# KiCad board ev18.kicad_pcb (continued)
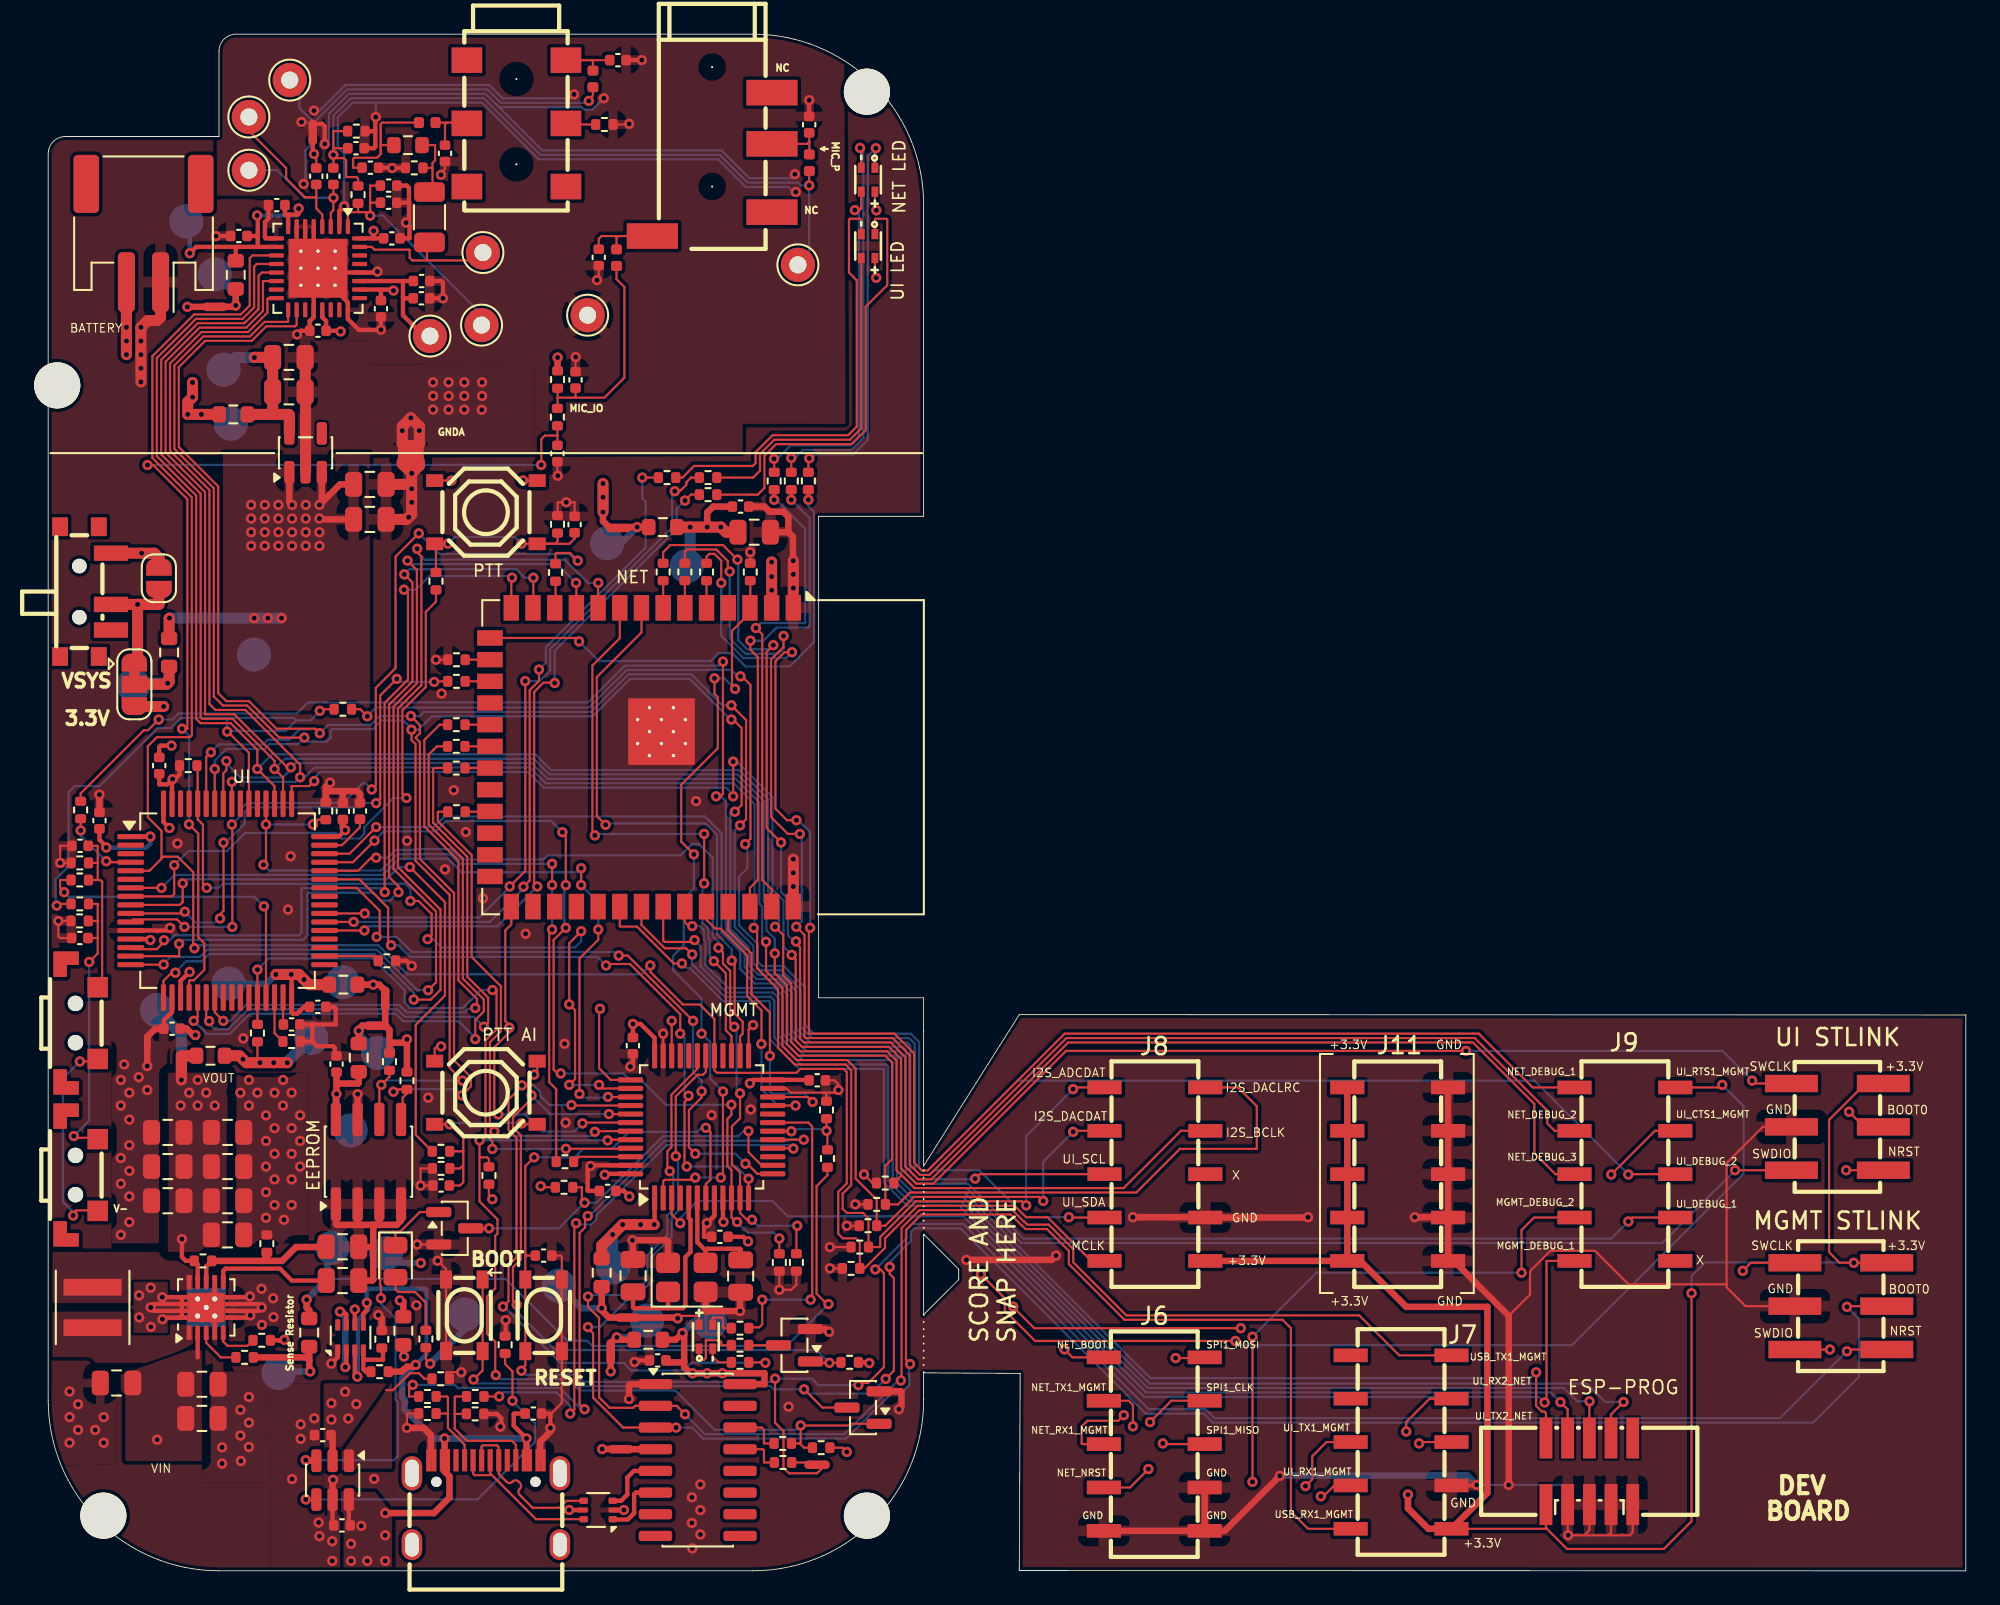
[diagram p0: board, top side]
## Library data of the parts (continued)
R27 = -: Description: Resistor, US symbol; JLCPCB Part #: C26984; ki_fp_filters: R_*
R31 = -: Description: Resistor, small US symbol; JLCPCB Part #: C25879; ki_fp_filters: R_*
R32 = -: Description: Resistor, small US symbol; JLCPCB Part #: C25741; ki_fp_filters: R_*
R53 = -: Description: Resistor, small US symbol; JLCPCB Part #: C25756; ki_fp_filters: R_*
R83 = -: Description: Resistor, US symbol; JLCPCB Part #: C23164; ki_fp_filters: R_*
R86 = -: Description: Resistor, small US symbol; JLCPCB Part #: C25779; ki_fp_filters: R_*
SW1 = -: Description: Switch, single pole double throw; JLCPCB Part #: C963206
SW2 SW3 = -: Description: Push button switch, generic, two pins; JLCPCB Part #: C139797
SW4 SW5 = -: Description: Push button switch, generic, two pins; JLCPCB Part #: C318886
SW6 SW7 = -: Description: Push button switch, generic, two pins; JLCPCB Part #: C2906288
TP1-TP8 TP11-TP32 = -: Description: test point; ki_fp_filters: Pin* Test*
U1 = -: Datasheet: https://www.ti.com/lit/ds/symlink/bq21040.pdf; Description: Single cell, 0.8A Li-Ion/Li-Po linear charge management controller, up to 30V input, 4.2V charge voltage, Open-Drain Status Output, Temperature sense input, SOT-23-6; JLCPCB Part #: C202311; ki_fp_filters: SOT?23*
U2 = -: Datasheet: https://www.st.com/resource/en/datasheet/usblc6-2.pdf; Description: Very low capacitance ESD protection diode, 2 data-line, SOT-666; JLCPCB Part #: C2827693; FT Rotation Offset: 270; ki_fp_filters: SOT?666*
U3 = -: Datasheet: https://www.st.com/resource/en/datasheet/stm32f072c8.pdf; Description: STMicroelectronics Arm Cortex-M0 MCU, 64KB flash, 16KB RAM, 48 MHz, 2.0-3.6V, 37 GPIO, LQFP48; JLCPCB Part #: C80488; ki_fp_filters: LQFP*7x7mm*P0.5mm*
U4 = -: Datasheet: https://datasheet.lcsc.com/szlcsc/Jiangsu-Qin-Heng-CH340C_C84681.pdf; Description: USB serial converter, crystal-less, UART, SOIC-16; JLCPCB Part #: C7464026; ki_fp_filters: SOIC*3.9x9.9mm*P1.27mm*
U5 = -: Datasheet: http://www.ti.com/lit/ds/symlink/tps63060.pdf; Description: Buck-Boost Converter, 2.5-12V Input Voltage, 2-A Switch Current, Adjustable 2.5-8V Output Voltage, S-PWSON-N10; JLCPCB Part #: C48567; FT Rotation Offset: 270; ki_fp_filters: Texas*S*PWSON*N10*
U6 = -: JLCPCB Part #: C18752; FT Rotation Offset: -90
U7 = -: Datasheet: https://www.espressif.com/sites/default/files/documentation/esp32-s3-wroom-1_wroom-1u_datasheet_en.pdf; Description: RF Module, ESP32-S3 SoC, Wi-Fi 802.11b/g/n, Bluetooth, BLE, 32-bit, 3.3V, onboard antenna, SMD; JLCPCB Part #: C3013944; FT Position Offset: 0, -3.6195; ki_fp_filters: ESP32?S3?WROOM?1*
U8 = -: Datasheet: http://www.st.com/content/ccc/resource/technical/document/datasheet/b0/d8/50/40/5a/85/49/6f/DM00071904.pdf/files/DM00071904.pdf/jcr:content/translations/en.DM00071904.pdf; Description: 2Kb (256x8) I2C Serial EEPROM, 1.8-5.5V, SOIC-8; JLCPCB Part #: C83836; ki_fp_filters: SOIC*3.9x4.9mm*P1.27mm*
U9 = -: Datasheet: https://www.ti.com/lit/ds/symlink/tps2116.pdf; Description: 2 Channnels Power Mux with Manual and Priority Switchover, 1.6-5.5V Input Voltage, 2.5A Output Current, Ron 40 mOhm, SOT-583-8; JLCPCB Part #: C3235557; ki_fp_filters: SOT?5?3*
U10 = -: Datasheet: https://www.st.com/resource/en/datasheet/stm32f405rg.pdf; Description: STMicroelectronics Arm Cortex-M4 MCU, 1024KB flash, 192KB RAM, 168 MHz, 1.8-3.6V, 51 GPIO, LQFP64; JLCPCB Part #: C15742; ki_fp_filters: LQFP*10x10mm*P0.5mm*
U12 = -: Datasheet: kicad-embed://xc6227.pdf; JLCPCB Part #: C484285; FT Rotation Offset: 90
Y1 = -: Description: Four pin crystal, GND on pins 2 and 4; JLCPCB Part #: C13738; ki_fp_filters: Crystal*

## Footprints (pads in the part's own frame, mm; a bottom-side part is the same pattern mirrored in y, then rotated)
AUDIO-SMD_PJ-242D-SMT
  round 0.1 hole 1.6 unplated: (-2.61,-0.03) (2.39,-0.03)
  rect 1.5x1.8 smd: 2(-3.71,2.87) 3(-3.71,-2.93) 4(-0.01,2.87) 5(3.69,2.87) 6(-0.01,-2.93) 7(3.69,-2.93)
AUDIO-SMD_PJ-320D
  round 0.1 hole 1.2 unplated: (0,5.55) (0,-1.45)
  rect 3x1.5 smd: R1(3.5,1.05) R2(3.5,4.05) S(-3.5,-4.35) T(3.5,-2.95)
C_0402_1005Metric
  rrect 0.56x0.62 smd: 1(-0.48,0) 2(0.48,0)
C_0805_2012Metric
  rrect 1x1.45 smd: 1(-0.95,0) 2(0.95,0)
C_1206_3216Metric
  rrect 1.15x1.8 smd: 1(-1.475,0) 2(1.475,0)
Crystal_SMD_3225-4Pin_3.2x2.5mm
  rrect 1.4x1.2 smd: 1(-1.1,-0.85) 2(1.1,-0.85) 3(1.1,0.85) 4(-1.1,0.85)
D_0805_2012Metric
  rrect 0.975x1.4 smd: 1(-0.938,0) 2(0.938,0)
ESP32-S3-WROOM-1
  rect 0.9x0.9 smd: (-2.9,-1.06) (-2.9,-2.46) (-2.9,-3.86) (-1.5,-1.06) (-1.5,-2.46) (-1.5,-3.86) (-0.1,-1.06) (-0.1,-2.46) (-0.1,-3.86)
  rect 1.5x0.9 smd: 1(-8.75,5.26) 2(-8.75,3.99) 3(-8.75,2.72) 4(-8.75,1.45) 5(-8.75,0.18) 6(-8.75,-1.09) 7(-8.75,-2.36) 8(-8.75,-3.63) 9(-8.75,-4.9) 10(-8.75,-6.17) 11(-8.75,-7.44) 12(-8.75,-8.71) 13(-8.75,-9.98) 14(-8.75,-11.25) 27(8.75,-11.25) 28(8.75,-9.98) 29(8.75,-8.71) 30(8.75,-7.44) 31(8.75,-6.17) 32(8.75,-4.9) 33(8.75,-3.63) 34(8.75,-2.36) 35(8.75,-1.09) 36(8.75,0.18) 37(8.75,1.45) 38(8.75,2.72) 39(8.75,3.99) 40(8.75,5.26)
  rect 0.9x1.5 smd: 15(-6.985,-12.5) 16(-5.715,-12.5) 17(-4.445,-12.5) 18(-3.175,-12.5) 19(-1.905,-12.5) 20(-0.635,-12.5) 21(0.635,-12.5) 22(1.905,-12.5) 23(3.175,-12.5) 24(4.445,-12.5) 25(5.715,-12.5) 26(6.985,-12.5)
  round 0.6 hole 0.2: 41(-2.9,-1.76) 41(-2.9,-3.16) 41(-2.2,-1.06) 41(-2.2,-2.46) 41(-2.2,-3.86) 41(-1.5,-1.76) 41(-1.5,-3.16) 41(-0.8,-1.06) 41(-0.8,-2.46) 41(-0.8,-3.86) 41(-0.1,-1.76) 41(-0.1,-3.16)
  rect 3.9x3.9 smd: 41(-1.5,-2.46)
HDR-SMD_6P-P2.54-V-M-R2-C3-LS7.5-2
  rect 1.02x3.1 smd: 1(-2.54,-2.69) 2(-2.54,2.69) 3(0,-2.69) 4(0,2.69) 5(2.54,-2.69) 6(2.54,2.69)
HDR-SMD_10P-P2.54-V-F-R2-C5-LS7.1-1
  rect 0.8x2 smd: 1(-5.08,-2.95) 2(-2.54,-2.95) 3(0,-2.95) 4(2.54,-2.95) 5(5.08,-2.95) 6(5.08,2.95) 7(2.54,2.95) 8(0,2.95) 9(-2.54,2.95) 10(-5.08,2.95)
IDC-SMD_10P-P1.27_X1270WVS-2X05B-6TV01
  rect 0.75x2.4 smd: 1(-2.54,-1.95) 2(-2.54,1.95) 3(-1.27,-1.95) 4(-1.27,1.95) 5(0,-1.95) 6(0,1.95) 7(1.27,-1.95) 8(1.27,1.95) 9(2.54,-1.95) 10(2.54,1.95)
JST_PH_S2B-PH-SM4-TB_1x02-1MP_P2.00mm_Horizontal
  rrect 1.5x3.4 smd: (-3.35,-2.9) (3.35,-2.9)
  rrect 1x3.5 smd: 1(-1,2.85) 2(1,2.85)
KEY-SMD_4P-L4.2-W3.2-P2.20-LS4.6
  rect 1.05x0.7 smd: 1(-2.1,1.07) 2(2.1,1.07) 3(-2.1,-1.07) 4(2.1,-1.07)
L_0402_1005Metric
  rrect 0.59x0.64 smd: 1(-0.485,0) 2(0.485,0)
L_Coilcraft_XxL4020
  rect 0.98x3.4 smd: 1(-1.185,0) 2(1.185,0)
LED-ARRAY-SMD_4P-L1.6-W1.5-TL_NH-B1515RGBA
  rect 0.6x0.4 smd: 1(-0.7,0.4) 2(0.7,0.4) 3(0.7,-0.4) 4(-0.7,-0.4)
LQFP-48_7x7mm_P0.5mm
  rrect 1.475x0.3 smd: 1(-4.162,2.75) 2(-4.162,2.25) 3(-4.162,1.75) 4(-4.162,1.25) 5(-4.162,0.75) 6(-4.162,0.25) 7(-4.162,-0.25) 8(-4.162,-0.75) 9(-4.162,-1.25) 10(-4.162,-1.75) 11(-4.162,-2.25) 12(-4.162,-2.75) 25(4.162,-2.75) 26(4.162,-2.25) 27(4.162,-1.75) 28(4.162,-1.25) 29(4.162,-0.75) 30(4.162,-0.25) 31(4.162,0.25) 32(4.162,0.75) 33(4.162,1.25) 34(4.162,1.75) 35(4.162,2.25) 36(4.162,2.75)
  rrect 0.3x1.475 smd: 13(-2.75,-4.162) 14(-2.25,-4.162) 15(-1.75,-4.162) 16(-1.25,-4.162) 17(-0.75,-4.162) 18(-0.25,-4.162) 19(0.25,-4.162) 20(0.75,-4.162) 21(1.25,-4.162) 22(1.75,-4.162) 23(2.25,-4.162) 24(2.75,-4.162) 37(2.75,4.162) 38(2.25,4.162) 39(1.75,4.162) 40(1.25,4.162) 41(0.75,4.162) 42(0.25,4.162) 43(-0.25,4.162) 44(-0.75,4.162) 45(-1.25,4.162) 46(-1.75,4.162) 47(-2.25,4.162) 48(-2.75,4.162)
LQFP-64_10x10mm_P0.5mm
  rrect 1.55x0.3 smd: 1(-5.675,3.75) 2(-5.675,3.25) 3(-5.675,2.75) 4(-5.675,2.25) 5(-5.675,1.75) 6(-5.675,1.25) 7(-5.675,0.75) 8(-5.675,0.25) 9(-5.675,-0.25) 10(-5.675,-0.75) 11(-5.675,-1.25) 12(-5.675,-1.75) 13(-5.675,-2.25) 14(-5.675,-2.75) 15(-5.675,-3.25) 16(-5.675,-3.75) 33(5.675,-3.75) 34(5.675,-3.25) 35(5.675,-2.75) 36(5.675,-2.25) 37(5.675,-1.75) 38(5.675,-1.25) 39(5.675,-0.75) 40(5.675,-0.25) 41(5.675,0.25) 42(5.675,0.75) 43(5.675,1.25) 44(5.675,1.75) 45(5.675,2.25) 46(5.675,2.75) 47(5.675,3.25) 48(5.675,3.75)
  rrect 0.3x1.55 smd: 17(-3.75,-5.675) 18(-3.25,-5.675) 19(-2.75,-5.675) 20(-2.25,-5.675) 21(-1.75,-5.675) 22(-1.25,-5.675) 23(-0.75,-5.675) 24(-0.25,-5.675) 25(0.25,-5.675) 26(0.75,-5.675) 27(1.25,-5.675) 28(1.75,-5.675) 29(2.25,-5.675) 30(2.75,-5.675) 31(3.25,-5.675) 32(3.75,-5.675) 49(3.75,5.675) 50(3.25,5.675) 51(2.75,5.675) 52(2.25,5.675) 53(1.75,5.675) 54(1.25,5.675) 55(0.75,5.675) 56(0.25,5.675) 57(-0.25,5.675) 58(-0.75,5.675) 59(-1.25,5.675) 60(-1.75,5.675) 61(-2.25,5.675) 62(-2.75,5.675) 63(-3.25,5.675) 64(-3.75,5.675)
MountingHole_2.7mm_M2.5
  round 2.7 hole 2.7 unplated: (0,0)
NetTie-2_SMD_Pad0.5mm
  round 0.5 smd: 1(-0.5,0) 2(0.5,0)
NetTie-4_SMD_Pad0.5mm
  round 0.5 smd: 1(-0.5,0.5) 2(0.5,0.5) 3(-0.5,-0.5) 4(0.5,-0.5)
QFN-32-1EP_5x5mm_P0.5mm_EP3.45x3.45mm_ThermalVias
  rrect 0.93x0.93 smd: (-1.15,1.15) (-1.15,0) (-1.15,-1.15) (0,1.15) (0,0) (0,-1.15) (1.15,1.15) (1.15,0) (1.15,-1.15)
  rrect 0.875x0.25 smd: 1(-2.438,1.75) 2(-2.438,1.25) 3(-2.438,0.75) 4(-2.438,0.25) 5(-2.438,-0.25) 6(-2.438,-0.75) 7(-2.438,-1.25) 8(-2.438,-1.75) 17(2.438,-1.75) 18(2.438,-1.25) 19(2.438,-0.75) 20(2.438,-0.25) 21(2.438,0.25) 22(2.438,0.75) 23(2.438,1.25) 24(2.438,1.75)
  rrect 0.25x0.875 smd: 9(-1.75,-2.438) 10(-1.25,-2.438) 11(-0.75,-2.438) 12(-0.25,-2.438) 13(0.25,-2.438) 14(0.75,-2.438) 15(1.25,-2.438) 16(1.75,-2.438) 25(1.75,2.438) 26(1.25,2.438) 27(0.75,2.438) 28(0.25,2.438) 29(-0.25,2.438) 30(-0.75,2.438) 31(-1.25,2.438) 32(-1.75,2.438)
  round 0.5 hole 0.2: 33(-1,1) 33(-1,0) 33(-1,-1) 33(0,1) 33(0,0) 33(0,-1) 33(1,1) 33(1,0) 33(1,-1)
  rect 2.5x2.5 smd far side: 33(0,0)
  rect 3.45x3.45 smd: 33(0,0)
R_0402_1005Metric
  rrect 0.54x0.64 smd: 1(-0.51,0) 2(0.51,0)
R_0603_1608Metric
  rrect 0.8x0.95 smd: 1(-0.825,0) 2(0.825,0)
SOIC-8_3.9x4.9mm_P1.27mm
  rrect 1.95x0.6 smd: 1(-2.475,1.905) 2(-2.475,0.635) 3(-2.475,-0.635) 4(-2.475,-1.905) 5(2.475,-1.905) 6(2.475,-0.635) 7(2.475,0.635) 8(2.475,1.905)
SOIC-16_3.9x9.9mm_P1.27mm
  rrect 1.95x0.6 smd: 1(-2.475,4.445) 2(-2.475,3.175) 3(-2.475,1.905) 4(-2.475,0.635) 5(-2.475,-0.635) 6(-2.475,-1.905) 7(-2.475,-3.175) 8(-2.475,-4.445) 9(2.475,-4.445) 10(2.475,-3.175) 11(2.475,-1.905) 12(2.475,-0.635) 13(2.475,0.635) 14(2.475,1.905) 15(2.475,3.175) 16(2.475,4.445)
SolderJumper-2_P1.3mm_Open_RoundedPad1.0x1.5mm
  custom 1x1.5 smd: 1(-0.65,0) 2(0.65,0)
SolderJumper-3_P1.3mm_Bridged12_RoundedPad1.0x1.5mm
  custom 1.05x1.5 smd: 1(-1.3,0) 3(1.3,0)
  rect 1x1.5 smd: 2(0,0)
SOT-23
  rrect 1.475x0.6 smd: 1(-0.938,0.95) 2(-0.938,-0.95) 3(0.938,0)
SOT-23-5
  rrect 1.325x0.6 smd: 1(-1.137,0.95) 2(-1.137,0) 3(-1.137,-0.95) 4(1.137,-0.95) 5(1.137,0.95)
SOT-23-6
  rrect 1.325x0.6 smd: 1(-1.137,0.95) 2(-1.137,0) 3(-1.137,-0.95) 4(1.137,-0.95) 5(1.137,0) 6(1.137,0.95)
SOT-583-8
  rrect 0.67x0.3 smd: 1(-0.74,0.75) 2(-0.74,0.25) 3(-0.74,-0.25) 4(-0.74,-0.75) 5(0.74,-0.75) 6(0.74,-0.25) 7(0.74,0.25) 8(0.74,0.75)
SOT-666
  rrect 0.5x0.375 smd: 1(-0.85,0.537) 3(-0.85,-0.537) 4(0.85,-0.537) 6(0.85,0.537)
  rrect 0.65x0.3 smd: 2(-0.925,0) 5(0.925,0)
SW-SMD_4P-L5.1-W5.1-P3.70-LS6.5-TL_H1.5
  rect 1x0.75 smd: 1(-3,1.85) 2(3,1.85) 3(-3,-1.85) 4(3,-1.85)
SW-SMD_MK-12C02-G020
  rect 1.1x0.93 smd: (-3.8,0.78) (-3.8,-1.49) (3.8,0.78) (3.8,-1.49)
  round 0.85 hole 0.85 unplated: (-1.5,-0.36) (1.5,-0.36)
  rect 0.9x2 smd: 1(-2.25,1.49) 2(0.75,1.49) 3(2.25,1.49)
SW-SMD_SHOU_TS36CA-0.6
  custom 1.5x1.5 smd: (-3.369,-0.99) (3.531,-0.89)
  round 0.9 hole 0.9 unplated: (-1.12,-0.39) (1.18,-0.39)
  rect 1.2x1.2 smd: 1(2.13,0.91) 2(-2.069,0.91)
TestPoint_Pad_D2.0mm
  round 2 smd: 1(0,0)
TestPoint_THTPad_D2.0mm_Drill1.0mm
  round 2 hole 1: 1(0,0)
Texas_S-PWSON-N10_ThermalVias
  rect 0.28x0.28 smd: 1(-1.76,1) 2(-1.76,0.5) 3(-1.76,0) 4(-1.76,-0.5) 5(-1.76,-1) 6(1.76,-1) 7(1.76,-0.5) 8(1.76,0) 9(1.76,0.5) 10(1.76,1)
  oval 0.85x0.28 smd: 1(-1.475,1) 2(-1.475,0.5) 3(-1.475,0) 4(-1.475,-0.5) 5(-1.475,-1) 6(1.475,-1) 7(1.475,-0.5) 8(1.475,0) 9(1.475,0.5) 10(1.475,1)
  rect 0.23x0.6 smd: 11(-0.6,1.425) 11(-0.6,-1.425) 11(-0.2,1.425) 11(-0.2,-1.425) 11(0.2,1.425) 11(0.2,-1.425) 11(0.6,1.425) 11(0.6,-1.425)
  rect 0.25x0.7 smd: 11(-0.6,1.425) 11(-0.6,-1.425) 11(-0.2,1.425) 11(-0.2,-1.425) 11(0.2,1.425) 11(0.2,-1.425) 11(0.6,1.425) 11(0.6,-1.425)
  round 0.6 hole 0.3: 11(-0.5,0.5) 11(-0.5,-0.5) 11(0,0) 11(0.5,0.5) 11(0.5,-0.5)
  rect 0.65x0.9 smd: 11(-0.435,0.56) 11(-0.435,-0.56) 11(0.435,0.56) 11(0.435,-0.56)
  rect 2.3x2.3 smd far side: 11(-0.001,0)
  rect 1.7x2.15 smd: 11(0,0)
USB-C_SMD-TYPE-C-31-M-12
  round 0.6 hole 0.75 unplated: (-2.9,1.21) (2.9,1.21)
  rect 0.3x1.3 smd: A1(-3.35,2.47) A4(-2.55,2.47) A5(-1.25,2.47) A6(-0.25,2.47) A7(0.25,2.47) A8(1.25,2.47) A9(2.55,2.47) A12(3.35,2.47) B1(3.05,2.47) B4(2.25,2.47) B5(1.75,2.47) B6(0.75,2.47) B7(-0.75,2.47) B8(-1.75,2.47) B9(-2.25,2.47) B12(-3.05,2.47)
  oval 1.2x2 hole 0.8x1.6: S1(-4.33,1.71) S1(4.33,1.71)
  oval 1.2x1.8 hole 0.8x1.4: S1(-4.33,-2.47) S1(4.33,-2.47)

## Nets
+3.0VA: C25.2 C26.1 C28.1 R36.2 R52.2 TP28.1 U6.21 U6.26 U6.32
+3.3V: CN1.1 D2.2 D3.2 D5.2 J4.5 J5.5 J7.1 J8.1 J11.1 J11.2 J11.3 J11.4 J11.5 JP3.3 NT5.1 NT6.1 NT7.1 NT8.1 NT9.1 NT10.1 R3.2 R16.1 R19.1 R22.2 R25.2 R41.1 R48.2 R75.2 SW4.1 SW4.2 SW5.1 SW5.2 SW6.1 SW7.1 TP24.1
+3.3V_CH340C: C13.1 NT2.2 R80.2 TP21.1 U4.16
+3.3V_EEPROM: C38.2 R79.2 TP12.1 U8.8
+3.3V_Mgmt: C1.2 C6.2 C8.2 C9.2 R77.2 TP19.1 U3.1 U3.9 U3.24 U3.36 U3.48
+3.3V_Net: C51.1 C52.1 R76.2 TP17.1 U7.2
+3.3V_UI: C39.1 C40.1 C41.1 C42.1 C43.1 R78.2 TP15.1 U10.1 U10.13 U10.19 U10.32 U10.48 U10.64
+3.3V_WM8960: C21.2 C23.2 R63.2 TP13.1 U6.8 U6.10
/AVIN: C7.1 C11.1 R2.2 TP30.1 U12.1 U12.3
GND: C1.1 C2.1 C3.1 C4.2 C5.2 C6.1 C7.2 C8.1 C9.1 C11.2 C12.2 C13.2 C14.2 C15.2 C16.2 C17.2 C19.2 C20.2 C21.1 C22.2 C23.1 C24.2 C27.2 C29.2 C30.2 C31.2 C35.2 C38.1 C39.2 C40.2 C41.2 C42.2 C43.2 C44.1 C45.1 C46.2 C47.2 C49.2 C50.2 C51.2 C52.2 C53.2 CN1.3 CN1.5 CN1.7 CN1.9 J1.A1 J1.A12 J1.B1 J1.B12 J2.1 J4.4 J5.4 J6.5 J6.6 J6.7 J7.2 J8.2 J11.6 J11.7 J11.8 J11.9 J11.10 NT1.1 NT1.3 Q1.2 Q2.2 Q3.2 R1.2 R6.2 R7.1 R8.1 R13.2 R23.1 R27.1 R29.2 R30.2 R37.1 R38.1 R39.1 R42.1 R43.1 R47.1 R54.1 R55.2 R61.1 R62.1 R64.2 R66.2 R67.2 R68.2 R69.2 SW2.1 SW2.2 SW3.3 SW3.4 U1.5 U2.2 U3.8 U3.23 U3.35 U3.47 U4.1 U5.4 U5.7 U5.11 U6.9 U7.1 U7.40 U7.41 U8.1 U8.2 U8.3 U8.4 U8.7 U9.1 U10.12 U10.18 U10.63 Y1.2 Y1.4
GNDA: C10.2 C18.2 C25.1 C26.2 C28.2 C33.2 C37.2 C48.2 C55.2 C57.2 C58.2 C59.2 C60.2 C61.2 C62.2 C63.2 NT1.2 NT1.4 NT11.1 R32.1 R84.2 R86.1 TP8.1 U6.2 U6.5 U6.6 U6.7 U6.20 U6.24 U6.28 U6.33 U12.2
VBUS: C4.1 C5.1 J1.A4 J1.A9 J1.B4 J1.B9 R53.2 U1.6 U2.5 U9.3 U9.5
/AMID: C33.1 C55.1 TP7.1 U6.27
/Analog_Sense: C10.1 C18.1 R52.1 TP27.1 U12.5
/BATTERY_MON: R12.1 R13.1 U3.18
/BB_Vin_Sense: C14.1 C15.1 C16.1 R14.2 R18.1 TP26.1 U5.2
/BB_Vout: C22.1 C24.1 C27.1 C29.1 C30.1 C31.1 C35.1 R26.2 R28.2 R48.1 TP23.1 U5.9
/BQ_OUT: C12.1 R11.1 R65.1 TP31.1 U1.2
/CH340C_Sense: NT5.2 R80.1 TP22.1
/CHG_FB: Q2.3 R3.1 U3.14
/D_N: J1.A7 J1.B7 U2.6
/D_P: J1.A6 J1.B6 U2.4
/EEPROM_Sense: NT10.2 R79.1 TP11.1
/HP_L: C34.1 TP1.1 U6.31
/I2S_ADCDAT: J8.6 R66.1 U6.16 U10.56
/I2S_BCLK: J8.4 R69.1 U6.12 U10.51
/I2S_DACDAT: J8.7 R68.1 U6.14 U10.57
/I2S_DACLRC: J8.5 R67.1 U6.13 U10.50
/Jack_HP_L: C57.1 CN2.6 L1.2
/Jack_MIC_N: C59.1 CN2.2 L3.2
/Jack_MIC_P: C60.1 J3.R1 L4.1
/Jack_PTT: C62.1 J3.S L5.1
/LEDA_B: R15.2 U3.19
/LEDA_G: R21.2 U3.40
/LEDA_R: Q1.1 R25.1 U3.41
/LIN1: C32.1 TP5.1 U6.4
/LIN2: C36.2 TP6.1 U6.3
/MCLK: J8.10 R64.1 U3.29 U6.11 U10.5
/MGMT_BOOT: J4.3 Q3.3 R22.1 U3.44
/MGMT_DEBUG_1: J9.10 U3.3
/MGMT_DEBUG_2: J9.9 U3.25
/MGMT_NRST: C17.1 J4.1 NT3.2 SW3.1 SW3.2 U3.7
/MGMT_Sense: NT6.2 R77.1 TP20.1
/MGMT_SWCLK: J4.6 U3.37
/MGMT_SWDIO: J4.2 U3.34
/MIC_IO: C53.1 R81.2 U10.20
/MIC_N: C32.2 L3.1 NT11.2 TP3.1
/MIC_P: C36.1 C61.1 L4.2 R31.1 R86.2 TP2.1
/MICBIAS: C37.1 C48.1 R31.2 TP4.1 U6.1
/NET_BOOT: J6.1 U3.42 U7.27
/NET_CTS1_MGMT: U3.27 U7.9
/NET_DEBUG_1: R70.1 U7.5
/NET_DEBUG_2: R71.1 U7.6
/NET_DEBUG_3: R72.1 U7.7
/NET_LED_B: R33.1 U7.39
/NET_LED_G: R35.1 U7.38
/NET_LED_R: R34.1 U7.15
/NET_MTCK: CN1.4 U7.32
/NET_MTDI: CN1.8 U7.34
/NET_MTDO: CN1.6 U7.33
/NET_MTMS: CN1.2 U7.35
/NET_NRST: J6.4 R29.1 U3.2 U7.3
/NET_READY: R50.1 U7.12
/NET_RTS1_MGMT: U3.26 U7.8
/NET_RX1_MGMT: J6.3 U3.21 U7.36
/NET_Sense: NT7.2 R76.1 TP18.1
/NET_STAT: R4.2 U7.23
/NET_TX1_MGMT: J6.2 U3.22 U7.37
/PTT_AI_BTN: R58.1 U10.9
/PTT_BTN: R57.1 U10.8
/RCC_OSC_IN: C2.2 U3.5 Y1.1
/RCC_OSC_OUT: C3.2 U3.6 Y1.3
/SPI1_CLK: J6.9 R44.1 U10.21
/SPI1_MISO: J6.8 R45.1 U10.22
/SPI1_MOSI: J6.10 R46.1 U10.23
/UD_N: U2.1 U4.6
/UD_P: U2.3 U4.5
/UI_BOOT0: J5.3 R55.1 U3.38 U10.60
/UI_BOOT1: R41.2 U3.45 U10.28
/UI_CTS1_MGMT: J9.4 R38.2 U3.11 U10.44
/UI_CTS2_NET: U7.14 U10.14
/UI_DEBUG_1: R74.2 U10.4
/UI_LED_B: R56.1 U10.39
/UI_LED_G: R60.1 U10.38
/UI_LED_R: R59.1 U10.37
/UI_NRST: J5.1 U3.39 U10.7
/UI_READY: R49.1 U7.17
/UI_RTS1_MGMT: J9.5 R39.2 U3.10 U10.45
/UI_RTS2_NET: U7.13 U10.15
/UI_RX1_MGMT: J7.9 U3.12 U10.43
/UI_RX2_NET: J7.4 U7.10 U10.17
/UI_SCL1: J8.8 R16.2 U6.17 U8.6 U10.58
/UI_SDA1: J8.9 R19.2 U6.18 U8.5 U10.59
/UI_Sense: NT8.2 R78.1 TP16.1
/UI_STAT: R5.2 R54.2 U10.52
/UI_SWCLK: J5.6 U10.49
/UI_SWDIO: J5.2 U10.46
/UI_TX1_MGMT: J7.8 U3.13 U10.42
/UI_TX2_NET: J7.3 U7.11 U10.16
/USB_CC1_DETECT: R9.1 U3.16
/USB_CC2_DETECT: R10.1 U3.17
/USB_DTR: R40.2 U4.13
/USB_RTS: R51.1 U4.14
/USB_RX1_MGMT: J7.10 U3.30 U4.3
/USB_TX1_MGMT: J7.5 U3.31 U4.2
/VOLUME+: R17.1 U10.29
/VOLUME-: R24.1 R73.2 U10.54
/WM8960_Sense: NT9.2 R63.1 TP14.1
VSYS: JP1.2 JP3.1 R12.2 R14.1 SW1.2 TP25.1
Net-(C34-Pad2): C34.2 R32.2 R83.1
Net-(C46-Pad1): C46.1 R57.2 R61.2 SW4.3 SW4.4
Net-(C47-Pad1): C47.1 R58.2 R62.2 SW5.3 SW5.4
Net-(C49-Pad1): C49.1 R17.2 R23.2 SW6.2
Net-(C50-Pad1): C50.1 R24.2 R37.2 SW7.2
Net-(C58-Pad1): C58.1 L1.1 R83.2
Net-(C63-Pad1): C63.1 L5.2 R36.1 R81.1
Net-(CN2-Pad4): CN2.4 R84.1
Net-(D1-A): D1.2 R11.2
Net-(D1-K): D1.1 Q2.1 U1.3
Net-(D2-BK): D2.3 R33.2
Net-(D2-GK): D2.4 R35.2
Net-(D2-RK): D2.1 R34.2
Net-(D3-BK): D3.3 R56.2
Net-(D3-GK): D3.4 R60.2
Net-(D3-RK): D3.1 R59.2
Net-(D5-BK): D5.3 R15.1
Net-(D5-GK): D5.4 R21.1
Net-(D5-RK): D5.1 R20.1
Net-(J1-CC1): J1.A5 R8.2 R10.2
Net-(J1-CC2): J1.B5 R7.2 R9.2
Net-(J2-Pin_2): J2.2 R65.2 TP32.1 U9.6
Net-(J9-Pin_2): J9.2 R74.1
Net-(J9-Pin_3): J9.3 R73.1
Net-(J9-Pin_6): J9.6 R70.2
Net-(J9-Pin_7): J9.7 R71.2
Net-(J9-Pin_8): J9.8 R72.2
Net-(JP1-A): JP1.1 SW1.1 U9.2 U9.7
Net-(JP3-C): JP3.2 R2.1 TP29.1
Net-(NT3-Pad1): NT3.1 R40.1
Net-(Q1-D): Q1.3 R20.2
Net-(Q3-G): Q3.1 R51.2 R75.1 SW2.3 SW2.4
Net-(U1-ISET): R1.1 U1.4
Net-(U1-TS): R6.1 U1.1
Net-(U3-PB7): R4.1 U3.43
Net-(U3-PB9): R5.1 U3.46
Net-(U4-V3): NT2.1 U4.4
Net-(U5-EN): R18.2 U5.3
Net-(U5-FB): C20.1 R26.1 R27.2 U5.8
Net-(U5-L1): L2.1 U5.1
Net-(U5-L2): L2.2 U5.10
Net-(U5-PG): R28.1 U5.5
Net-(U5-VAUX): C19.1 U5.6
Net-(U7-IO11): R46.2 U7.19
Net-(U7-IO12): R44.2 U7.20
Net-(U7-IO13): R45.2 U7.21
Net-(U7-IO46): R30.1 U7.16
Net-(U9-PR1): R47.2 R53.1 U9.4
Net-(U10-PB11): R42.2 U10.30
Net-(U10-PB13): R43.2 U10.34
Net-(U10-PC2): R49.2 U10.10
Net-(U10-PC3): R50.2 U10.11
Net-(U10-VCAP_1): C44.2 U10.31
Net-(U10-VCAP_2): C45.2 U10.47

Pads without a net: CN1 10; CN2 3 5 7; J1 A8 B8 S1; J3 R2 T; J7 6 7; J8 3; J9 1; SW1 3; U3 4 15 20 28 32 33; U4 7 8 9 10 11 12 15; U6 15 19 22 23 25 29 30; U7 4 18 22 24 25 26 28 29 30 31; U9 8; U10 2 3 6 24 25 26 27 33 35 36 40 41 53 55 61 62; U12 4

## Via types
v1: diameter 0.6, hole 0.3, Top to Bottom, 661 vias

## Routing (per net, layer and track width the routed paths; a pad name or vN(x,y) marks a point on that pad's centre or on a via; arc(x,y) is an arc through that point)
+3.0VA: length 13.5
  Top w0.254: 19.57,78.04 19.02,78.04 ; 19.02,78.04 U6.32 ; 19.02,78.04 19.05,78.07 v1(19.05,78.48) ; U6.21 16.04,73.43 16.27,73.2 C26.1 17.08,72.63 v1(17.12,72.59) ; U6.26 20.16,75.04 20.21,74.99 v1(20.21,74.99) ; C28.1 19.48,75.03
  Top w0.381: R36.2 v1(29.82,71.06)
  Top w0.65: v1(8.45,69.6) v1(8.45,68.74) 8.17,68.46 v1(8.17,67.73) R52.2
  Bottom w0.65: 10.39,67.18 TP28.1 10.14,67.73 v1(8.97,67.73)
+3.3V: length 192.8
  Top w0.127: J5.5 106.38,28.54 104.26,26.42 104.26,18.66 104.87,18.04 v1(105.7,18.04) J4.5 ; R41.1 12.25,29.91 v1(12.4,29.76) ; v1(1.86,29.83) 2.75,29.83 2.93,30.01 ; v1(28.45,29.06) 28.63,29.24 SW5.2 ; v1(1.46,20.81) 1.46,20.92 1.65,21.11 2.93,21.11 ; CN1.1 87.68,2.51 87.73,2.46 ; D3.2 48.4,75.92 48.47,75.84 v1(48.47,75.73) ; v1(28.83,22.53) 28.9,22.46 R3.2 ; 87.73,2.46 J7.1 ; 87.73,2.46 88.91,1.28 94.58,1.28 96.2,2.9 v1(96.2,16.26) ; v1(46.75,6.96) 46.5,7.21 R75.2
  Top w0.13: D2.2 48.4,79.77 v1(48.48,79.69) ; v1(36.85,14.79) 36.97,14.79 37.11,14.93 38.08,14.93 38.1,14.91 D5.2 ; SW4.1 22.63,63.86 v1(23.6,63.86) ; v1(27.8,63.86) 27.81,63.85 SW4.2 ; v1(26,21.76) 25.8,21.96 R22.2 ; SW5.1 22.63,30.59 22.75,30.71 v1(23,30.71)
  Top w0.254: R25.2 48.03,12.21 v1(48.07,12.17)
  Top w0.381: 19.98,30.93 R16.1 ; 19.98,30.93 20.8,30.93 v1(21,31.13) R19.1 ; 19.98,30.93 19.98,31.68 NT10.1 NT8.1 ; v1(79.6,4.46) 79.6,3.66 80.8,2.46 J7.1 84.25,4.57 84.25,15.46 79.5,15.46 76.81,18.15 J11.5 ; J11.5 J8.1 ; J11.5 J11.4 J11.3 J11.2 J11.1 ; NT9.1 v1(8.15,74.03) ; NT7.1 32.48,61.48 v1(32.48,62.02) ; NT5.1 v1(32.93,11.68) ; v1(36.85,14.79) 36.81,14.83 NT6.1
  Top w0.65: v1(32.48,63.68) v1(32.48,62.02) ; R48.2 11.19,30.17 v1(11.4,29.96) 11.6,29.76 v1(12.4,29.76) v1(13.2,29.76) v1(14,29.76) ; v1(6.76,50.62) JP3.3
  In2.Cu w0.13: 41.72,61.69 41.72,64.89
  In2.Cu w0.381: 49.28,18.49 51,20.21 52.63,20.21 57.35,15.5 57.35,11.63 66.51,2.46 78.75,2.46 79.6,3.31 v1(79.6,4.46)
  Bottom w0.127: v1(96.2,16.26) 96.2,17.26 97,18.06 105.68,18.06 v1(105.7,18.04) ; v1(1.46,20.81) 1.46,21 0.86,21.6 0.86,28.84 v1(1.86,29.83)
  Bottom w0.65: TP24.1 14,29.81 v1(14,29.76)
  vias: v1(32.48,62.88)
+3.3V_CH340C: length 17.7
  Top w0.254: 33.02,7.13 NT2.2
  Top w0.381: R80.2 36.73,13.53 v1(37.13,13.93) 37.23,13.83 37.23,12.23 ; 37.23,12.23 37.23,11.93 37.59,11.57 v1(37.73,11.57) v1(38.58,11.57) v1(39.47,11.57) 41.92,11.57 41.93,11.56 41.93,10.93 41.93,10.93 U4.16 ; 37.23,12.23 37.21,12.21 36.23,12.21 36.16,12.28 ; v1(32.43,7.13) 33.02,7.13
  In2.Cu w0.65: v1(32.43,7.13) 36.23,7.13
  Bottom w0.381: v1(37.13,13.93) 37.75,14.55 TP21.1
+3.3V_EEPROM: length 7.4
  Top w0.13: 16.75,26.53 16.85,26.44
  Top w0.381: 16.88,28.68 17.02,28.54 18.13,28.54 18.18,28.59 R79.2 ; 16.88,28.68 v1(16.88,27.93) 16.85,27.9 16.85,26.44 ; 16.88,28.68 C38.2
  Bottom w0.381: v1(16.88,27.93) 16.88,26.62 TP12.1
+3.3V_Mgmt: length 22
  Top w0.254: 44.54,28.66 44.45,28.75 U3.24 41.27,28.75 41.08,28.56 v1(41.08,28.55) ; U3.9 39.5,20.46 v1(39.53,20.43) ; U3.36 35.5,31.21 34.68,32.03 v1(34.23,32.03) C9.2 ; C1.2 40.7,19.56 v1(40.97,19.29) ; U3.1 35.5,20.3 v1(35.48,20.28) ; v1(32.58,23.2) 32.64,23.25 U3.48 ; C8.2 33.69,22.25 v1(34.02,21.93)
  Top w0.65: v1(35.48,20.28) v1(33.63,20.28) v1(33.04,19.7) 32.4,19.05 R77.2
  In2.Cu w0.381: v1(40.97,19.29) 40.59,19.29 39.53,20.36 v1(39.53,20.43)
  Bottom w0.65: v1(33.04,19.7) 33.04,17.81 TP19.1
  vias: v1(34.68,20.28)
+3.3V_Net: length 11.2
  Top w0.381: v1(38.58,61.13) 38.58,61.98 38.93,62.33 C52.1
  Top w0.65: U7.2 v1(42.35,57.43) v1(42.35,58.23) 42.35,59.08 v1(42.35,59.08) ; C51.1 39.68,60.83 v1(39.38,61.13) v1(38.58,61.13) v1(37.58,61.13) R76.2
  Bottom w0.65: v1(37.58,61.13) 37.58,59.05 TP17.1
+3.3V_UI: length 28.5
  Top w0.254: C40.1 3,42.82 3.4,42.42 v1(3.4,42.36) ; v1(8.28,35.08) 7.75,34.55 U10.19 ; U10.13 5.92,37 v1(5.98,36.95) ; U10.64 6.75,43.86 v1(7.1,43.51) ; v1(5.98,43) U10.1 ; v1(7.22,48.34) 7.22,48.33 6.58,48.33 6.5,48.25 C42.1 ; v1(14.23,34.93) 14.25,34.91 U10.32 14.25,32.71 14.33,32.63 14.58,32.63 14.98,33.03 C39.1 ; v1(17.38,43.38) 17,43 U10.48 ; 7.75,31.77 C41.1
  Top w0.381: C41.1 8.1,31.75 8.47,31.38 v1(8.62,31.38) ; v1(17.38,43.38) 17.25,43.51 C43.1
  Top w0.65: v1(13.33,34.93) 14.68,34.93 15.28,34.33 R78.2
  In2.Cu w0.381: v1(8.62,31.38) 8.47,31.38 7.9,31.96 7.9,32.47 8.28,32.85 v1(8.28,35.08)
  Bottom w0.254: v1(5.98,43) 5.98,42.58 5.76,42.36 v1(3.4,42.36)
  Bottom w0.381: TP15.1 12.79,34.39 v1(13.33,34.93)
  vias: v1(14.98,34.63)
+3.3V_WM8960: length 15.7
  Top w0.254: v1(8.29,77.17) 8.66,77.54 11.1,77.54 ; v1(14.66,79.79) 14.66,79.49 14.6,79.43 14.03,79.43 ; 10.98,76.75 10.98,77.42 11.1,77.54 ; 12.27,78.09 12.27,77.61 12.2,77.54 ; 12.27,78.09 12.27,79.34 v1(12.23,79.38) ; 12.27,78.09 12.18,78.18 C21.2 ; U6.10 12.2,77.54 ; 12.2,77.54 11.1,77.54 ; U6.8 14.04,79.42 14.03,79.43 ; 14.03,79.43 13.88,79.43 13.86,79.45 C23.2
  Bottom w0.254: v1(8.29,77.17) 8.29,78.84 TP13.1 ; v1(12.23,79.38) 14.55,79.38 14.66,79.49 v1(14.66,79.79)
/AVIN: length 16.2
  Top w0.381: v1(15.88,61.63) 15.93,61.58 C11.1 ; U12.3 16.02,62.57 v1(15.88,62.43) 17.08,63.63 C7.1 ; v1(14.28,62.43) 14.12,62.6 U12.1
  Top w0.65: R2.2 7.08,55.78 v1(7.1,55.8)
  Bottom w0.65: v1(13.66,55.8) v1(7.1,55.8)
  vias: v1(11.88,62.43) v1(11.88,61.63) v1(11.88,60.83) v1(11.88,60.03) v1(12.06,55.8) v1(12.68,62.43) v1(12.68,61.63) v1(12.68,60.83) v1(12.68,60.03) v1(12.86,55.8) v1(13.48,62.43) v1(13.48,61.63) v1(13.48,60.83) v1(13.48,60.03) v1(14.28,61.63) v1(14.28,60.83) v1(14.28,60.03) v1(15.08,62.43) v1(15.08,61.63) v1(15.08,60.83) v1(15.08,60.03) v1(15.88,60.83) v1(15.88,60.03)
GND: length 330.2
  Top w0.127: 41.1,59.76 v1(41.1,59.66) R29.2 ; C17.2 30,18.46 30.07,18.39 SW3.4 ; R67.2 v1(47.25,21.46) ; 98.26,16.78 98.26,16.61 99.36,15.5 J4.4 ; 98.26,16.78 98.26,23.89 100.37,26 J5.4 ; 98.26,16.78 92.51,16.78 90.54,18.75 87.94,18.75 86.74,17.55 86.74,16.18 85.5,14.94 ; SW2.1 SW2.2 23.29,17.67 v1(22.8,18.16) ; R8.1 21.05,9.21 21,9.16 v1(21,8.38) ; v1(47.76,23.21) 48.26,22.71 R69.2 ; 46.13,28.63 46.26,28.5 v1(46.26,28.16) 46.2,28.16 46.05,28.01 45.43,28.01 ; C50.2 0.7,37.06 0.6,37.16 v1(0.6,38.06) R37.1 ; 45.43,28.01 43.46,28.01 43.22,28.25 U3.23 ; 45.43,28.01 45.56,27.88 R13.2 ; v1(36,31.46) U3.35 ; v1(21.8,22.56) 21.8,23.56 21.81,23.57 R62.1 ; v1(24.18,11.63) 23.34,11.63 23.29,11.58 ; C53.2 29.81,64.16 v1(29.83,64.14) ; R68.2 v1(46.75,20.21) ; C49.2 0.7,42.46 0.7,42.46 v1(0.7,41.46) R23.1 ; R30.2 v1(22.7,53.36) ; R66.2 v1(45.76,18.96) ; R64.2 v1(45.76,17.71) ; R38.1 43.8,16.76 43.5,16.46 v1(42.8,16.46) R39.1
  Top w0.13: 29.4,9.16 30.07,9.83 SW3.3 SW3.4 ; C46.2 30.81,62.57 30.81,62.58 v1(30.33,62.58) 29.84,62.58 29.82,62.56 R61.1 ; 46.13,28.63 46.03,28.73 C6.1 ; v1(21.6,19.11) 22.4,19.11 ; CN1.3 88.95,2.11 v1(88.98,2.08) 89.93,2.08 ; 89.93,2.08 90.22,2.37 CN1.5 ; 89.93,2.08 91.33,2.08 ; v1(21.8,22.56) 21.81,22.57 C47.2 22.49,22.6 ; 91.33,2.08 91.49,2.24 CN1.7 ; 91.33,2.08 92.58,2.08 92.76,2.26 CN1.9 ; 22.49,23.71 22.49,23.71
  Top w0.254: C44.1 15.46,32 ; 15.46,32 16.83,32 16.83,32.93 16.73,33.03 C39.2 ; 15.46,32 15.46,31 ; v1(7.28,46.37) 7.42,46.37 7.69,46.64 R55.2 ; v1(7.28,46.37) 6.97,46.06 6.5,46.06 C42.2 ; v1(7.28,46.37) 7.25,46.34 U10.63 ; U5.11 12.3,15.23 v1(12.5,15.43) 12.3,15.63 U5.11 ; v1(9.82,78.17) 9.83,78.18 C21.1 ; C5.2 29.35,9.21 29.4,9.16 v1(29.4,8.37) ; U2.2 v1(33.7,3.56) ; U5.7 9.75,15.92 U5.11 ; U10.18 7.25,32.73 6.77,32.25 C41.2 ; C8.1 31.61,22.25 31.58,22.28 31.58,23.54 v1(31.75,23.71) 31.79,23.75 U3.47 ; C23.1 12.9,79.21 12.69,79 12.69,78.1 12.74,78.04 U6.9 ; 15.46,31 R42.1 ; 15.46,31 15.73,30.73 16.68,30.73 16.78,30.63 16.78,30.16 ; v1(6.69,14.74) 6.78,14.83 U5.11 U5.11 v1(6.68,16.03) ; v1(11.81,16.07) 11.77,16.03 U5.11 ; v1(16.58,12.14) 16.95,12.51 U9.1 ; U5.11 6.2,15.23 v1(6,15.43) 6.2,15.63 U5.11 ; C1.1 38.4,19.56 38.4,20.21 v1(38.56,20.36) 39,20.81 U3.8 ; v1(26.78,14.68) 26.78,13.78 R1.2 ; J7.2 83.6,5 v1(83.63,5.03) ; C9.1 34.23,29.68 v1(34.08,29.53) ; v1(34.33,12.23) 34.42,12.33 C13.2 ; R7.1 26.27,9.19 26.52,8.94 26.52,8.5 v1(26.47,8.45) ; U10.12 7.13,37.5 7.15,37.52 7.15,37.64 v1(7.13,37.66) ; 12,14.93 11.9,14.83 U5.11 ; 5.75,31.21 5.8,31.16 ; U5.4 U5.11 ; v1(21.28,35.43) 20.98,35.73 R43.1 ; U1.5 16.65,2.73
  Top w0.381: 20.99,8.36 v1(21,8.38) 21.99,8.38 22.4,7.96 22.4,6.65 ; J6.7 J6.6 ; J6.6 J6.5 ; J6.6 68.88,2.34 v1(72.1,5.56) ; U8.2 18.12,20.28 18.1,20.26 ; 9.13,15.43 U5.11 ; 9.13,15.43 U5.11 9.69,14.99 U5.11 U5.11 9.13,15.43 ; U8.3 19.39,20.45 19.2,20.26 ; J11.10 J11.9 J11.8 J11.7 ; C41.2 6.27,31.75 5.8,31.28 5.8,30.67 ; v1(16.5,46.16) 16.25,45.91 16.25,45.66 ; Q1.2 45.5,14.16 45.66,14 v1(45.71,14) ; J11.7 J11.6 82.28,18.15 85.5,14.94 v1(85.5,5.03) ; J11.7 81.93,20.71 v1(80,20.71) ; U4.1 34.07,10.93 34,10.86 v1(34,10.06) ; v1(59,18.46) 58.75,18.21 v1(53.75,18.21) ; 18.1,20.26 16.9,20.26 16.85,20.32 U8.1 ; 18.1,20.26 19.03,20.26 ; C45.1 18.25,45.51 18.1,45.66 17.2,45.66 ; 19.03,18.86 18.93,18.96 18.2,18.96 C20.2 ; 19.03,18.86 19.03,20.26 ; 19.03,18.86 19.03,17.06 18.97,17 C19.2 ; 17.2,45.66 17.25,45.61 C43.2 ; 17.2,45.66 16.25,45.66 ; 19.2,20.26 20.4,20.26 20.66,20.52 U8.4 ; 19.2,20.26 19.03,20.26 ; 43.33,60.83 43.33,61.73 43.03,62.03 42.23,62.03 41.93,62.33 C52.2 ; 43.33,60.83 43.6,60.56 43.6,59.18 v1(43.62,59.16) ; 43.33,60.83 C51.2 ; v1(16.68,5.33) 16.65,5.3 U1.5 ; v1(29.4,8.37) 29.4,8.16 28.8,7.56 28.8,6.65 ; R47.1 19.53,14.78 v1(19.33,14.98) ; v1(5.8,29.56) 5.8,30.67 ; 5.8,30.67 5.8,31.16 ; v1(73.75,20.71) 73.73,20.69 J8.2 67.72,20.71 v1(63.5,20.71) ; 14.76,31.97 C44.1 ; C40.2 v1(3,45.46) ; 16.25,45.66 R54.1 16.3,44.96 ; Y1.2 38.49,15.28 38.55,15.21 v1(40.5,15.21) 40.5,16.28 C3.1 ; 34.45,18.02 34.45,18.03 ; C2.1 34.22,18.25 34.22,19.34 v1(34.2,19.36) 36.2,19.36 36.3,19.26 36.29,19.25 Y1.4 36.27,18.02 ; v1(18.12,27.92) 18.12,26.44 ; v1(49.8,9.46) 49.95,9.61 49.95,10.46 49.9,10.51 Q3.2
  Top w0.65: v1(21.28,64.28) 21.73,64.73 NT1.3 ; v1(21.28,64.28) 20.73,64.83 NT1.1 ; v1(21.28,64.28) v1(21.28,63.38) v1(21.28,62.58) 21.28,61.88 v1(21.1,61.71) 20.98,61.58 C11.2 ; 21.08,63.63 C7.2 ; J2.1 6.58,73.43 6.38,73.23 5.83,73.23 v1(5.43,72.83) v1(5.43,71.23) v1(5.43,70.43) v1(5.43,69.63) ; v1(43.62,41.68) U7.40 ; v1(43.62,59.16) U7.1
  In1.Cu w0.381: v1(34,10.06) 33.9,10.06 32.22,8.37 v1(29.4,8.37) 27.76,8.37 27.76,8.38 v1(21,8.38) ; v1(73.75,20.71) v1(80,20.71) ; v1(46.75,20.21) 51.75,20.21 v1(53.75,18.21) ; v1(59,18.46) 61.25,20.71 v1(63.5,20.71)
  In1.Cu w0.65: 4.15,37.7 7.09,37.7 v1(7.13,37.66)
  Bottom w0.127: v1(83.63,5.03) v1(85.5,5.03) 88.98,5.03 v1(88.98,2.08)
  Bottom w0.381: v1(72.1,5.56) 72.12,5.59 83.08,5.59 v1(83.63,5.03)
  vias: v1(1.25,10.5) v1(1.25,9) v1(1.25,7.5) v1(1.75,9.75) v1(1.75,8.25) v1(2.75,8.25) v1(3.25,9) v1(3.25,7.5) v1(4.25,28.75) v1(4.25,27.25) v1(4.25,24.18) v1(4.25,22.68) v1(4.25,19.68) v1(4.45,29.66) v1(4.75,28) v1(4.75,26.43) v1(4.75,24.93) v1(4.75,23.43) v1(4.75,21.93) v1(4.75,20.43) v1(5.3,28.91) v1(5.32,16.13) v1(5.33,14.84) v1(5.43,72.03) v1(5.8,28.16) v1(6,16.58) v1(6.01,14.29) v1(7.57,42.6) v1(10.18,7.23) v1(10.18,6.28) v1(11.25,28) v1(11.25,9.43) v1(11.25,7.93) v1(11.28,6.43) v1(11.42,31.18) v1(11.75,28.75) v1(11.75,27.25) v1(11.83,14.96) v1(11.75,10.18) v1(11.75,8.68) v1(11.75,7.25) v1(12.25,28) v1(12.49,16.52) v1(12.51,14.41) v1(12.75,26.68) v1(12.75,25.18) v1(12.75,23.68) v1(12.75,22.18) v1(12.75,20.68) v1(13.25,28) v1(13.25,25.93) v1(13.25,24.43) v1(13.25,22.93) v1(13.25,21.43) v1(13.17,15.96) v1(13.19,14.86) v1(13.75,28.75) v1(13.75,27.25) v1(13.8,20.56) v1(14.04,38.73) v1(14.19,41.85) v1(14.25,28) v1(14.25,25.93) v1(14.25,24.43) v1(14.25,22.93) v1(14.25,21.43) v1(14.28,5.38) v1(14.75,26.68) v1(14.75,25.18) v1(14.75,23.68) v1(14.78,8.58) v1(14.78,7.73) v1(15.58,8.93) v1(15.83,2.83) v1(15.88,2.03) v1(16.63,1.73) v1(16.63,0.58) v1(19.08,5.38) v1(21.01,42.76) v1(21.56,15.55) v1(22.25,27.71) v1(23.03,51.38) v1(23.23,41.08) v1(23.74,45.72) v1(24.45,43.27) v1(25.45,39.39) v1(27.95,37.31) v1(30.23,30.87) v1(30.29,26.25) v1(37.68,4.31) v1(37.68,2.81) v1(37.71,1.31) v1(37.93,45.08) v1(38.18,5.06) v1(38.18,3.56) v1(38.18,2.13) v1(38.84,26.69) v1(41.12,27.02) v1(43.34,9.61) v1(43.62,58.36) v1(43.62,57.56) v1(43.62,40.88) v1(43.62,40.08)
